# Altium PCB GP.PcbDoc
Units mil, origin at the board's own origin, x right, y up, seen from the top; angles counter-clockwise.
Board outline 3917.32 x 984.25 mil, 2 copper layers (Top Layer, Bottom Layer); 8 components, 0 nets, 24 pads, 2 vias.
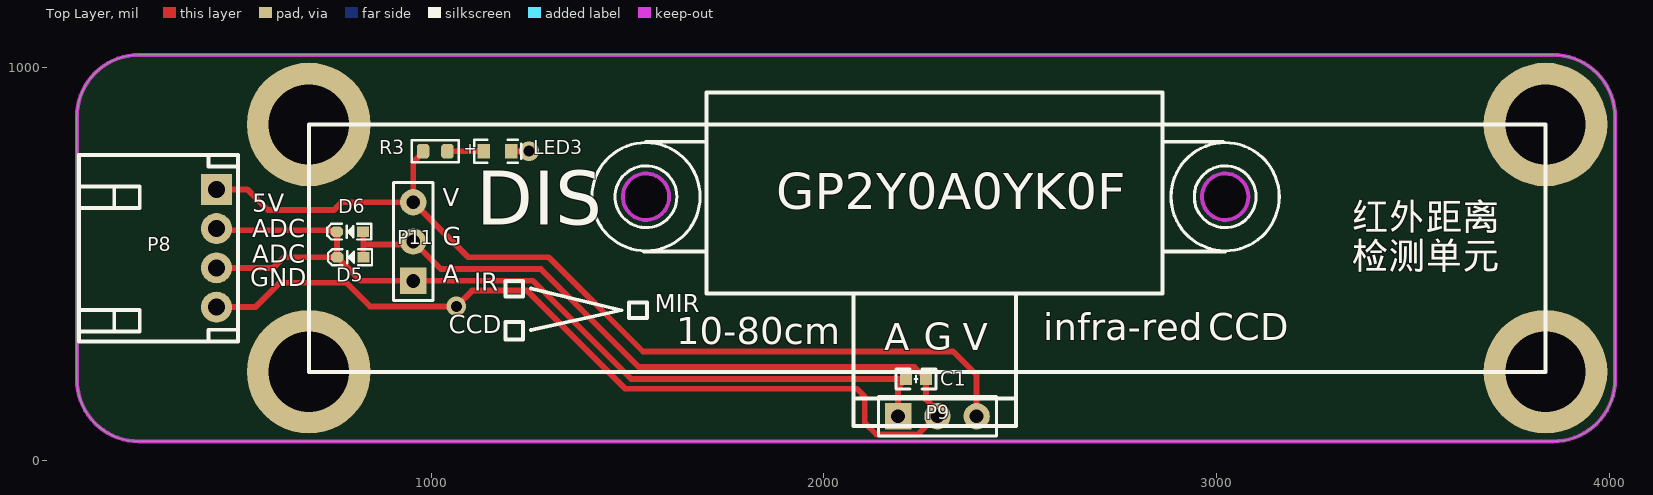
[diagram p0: Top Layer view]
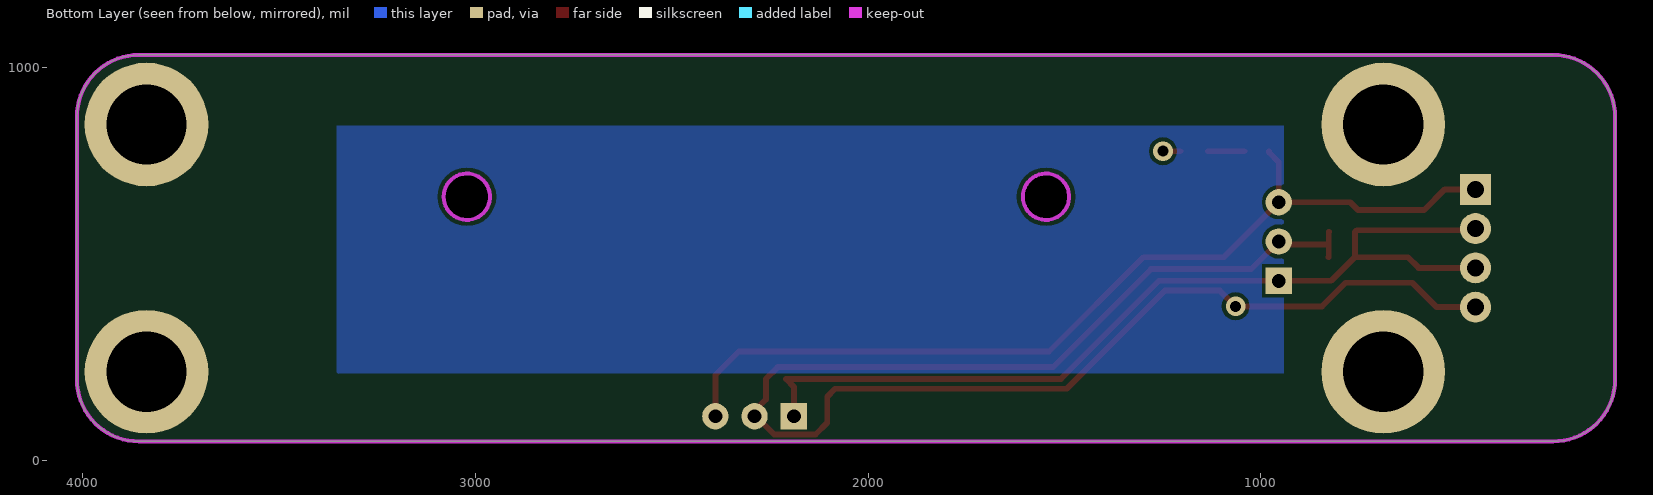
[diagram p1: Bottom Layer view, seen from below]

## Layer stack, top to bottom
Top Solder: solder mask 0.4, Solder Resist, Dk 3.5
Top Layer: signal copper 1.4
Dielectric 1: dielectric 12.6, FR-4, Dk 4.8
Bottom Layer: signal copper 1.4
Bottom Solder: solder mask 0.4, Solder Resist, Dk 3.5

## Board outline
97.52,205 ccw(c255,205) 255,47.52 3857.36,47.52 ccw(c3857.36,205) 4014.84,205 4014.84,244.37 4014.84,874.29 ccw(c3857.36,874.29) 3857.36,1031.77 255,1031.77 ccw(c255,874.29) 97.52,874.29
cut-out: 2962.75,670.62 ccw(c3021.81,670.62) 3021.81,611.57 ccw(c3021.81,670.62) 3080.86,670.62 ccw(c3021.81,670.62) 3021.81,729.68 ccw(c3021.81,670.62)
cut-out: 1487.75,670.62 ccw(c1546.81,670.62) 1546.81,611.57 ccw(c1546.81,670.62) 1605.86,670.62 ccw(c1546.81,670.62) 1546.81,729.68 ccw(c1546.81,670.62)

## Design rules (kind name [scope] priority, off if disabled: settings)
Clearance [All] p1: gap=10 ignorepadtopadclearanceinfootprint=FALSE except(0: Arc-Hole Track-Hole SMDPad-Hole THPad-Hole Via-Hole Fill-Hole Poly-Hole Region-Hole Text-Hole)
PolygonConnect [All] p1: connectstyle=Relief reliefconductorwidth=10 reliefentries=4 polygonreliefangle="90 Angle" airgapwidth=10
RoutingVias [All] p1: holewidth=28 width=50 viastyle="Through Hole" minholewidth=28 minwidth=50 maxholewidth=28 maxwidth=50
SolderMaskExpansion [All] p1: expansion=4 istentingtop=FALSE
Width [All] p1: maxlimit=10 minlimit=10 preferedwidth=10
30 further rules are at their usual default settings.

## Components (designator, comment, footprint, x,y, rotation, side; value= is the part's Value field where it differs from the comment)
C1 "CAP" "C 0603_L" 2234.59,206.52 r180 top value=100nF
D5 "TVS" SOD-523 794,516.52 r180 top
D6 "TVS" SOD-523 792.46,581.52 r180 top
LED3 "LED3" 0603-led 1134,786.52 r0 top
P8 "ADC_IN4" KF2EDGK-2.54-WI-4P 453,539.52 r270 top
P9 "Header 3" HDR2.54-LI-3P 2289,111.52 r0 top
P11 "Header 3" HDR2.54-LI-3P 954,556.52 r90 top
R3 "10K" 0603 1045.06,786.52 r180 top

## Footprints (in the part's own frame and the unit in brackets; to place one, negate y for a bottom-side part, rotate by r counter-clockwise, add the part's x,y. Pads: shape width x height; smd on the part's side, far side on the other; paste and mask are expansions set on the pad)
0603 [mil]
  rrect50% 32x37 smd: 1(3.94,0) 2(66.06,0)
  silkscreen extent -25,-28 95,28, body extent 4,-16 67,16, height 18
0603-led [mil]
  rect 32x37 smd: 1(0,0) 2(70,0)
  silkscreen extent -25,-29 95,29, body extent 2,-18 68,18, height 35
"C 0603_L" [mil] "无极性贴片电容"
  rect 30x30 smd: 1(-25.59,0) 2(25.59,0)
  silkscreen extent -51,-26 51,26, body extent -31,-16 31,16, height 32
HDR2.54-LI-3P [mm] "排针，3脚"
  rect 1.7x1.7 hole 0.9: 1(-2.54,0)
  round 1.7 hole 0.9: 2(0,0) 3(2.54,0)
  silkscreen extent -3.81,-1.27 3.81,1.27, body extent -3.81,-1.27 3.81,1.27, height 8.5
KF2EDGK-2.54-WI-4P [mm] "长：12.06mm，宽：10.1mm，高：8.1mm"
  rect 2x2 hole 1.1: 1(-3.81,0)
  round 2 hole 1.1: 2(-1.27,0) 3(1.27,0) 4(3.81,0)
  silkscreen extent -6.03,-8.9 6.03,1.39, body extent -6.03,-8.9 6.03,1.2, height 8.15
SOD-523 [mm] "1.2x0.8X0.6mm（长宽高，不包括引脚）"
  rect 0.8x0.7 smd: 1(-0.85,0)
  oct 0.8x0.7 smd: 2(0.85,0)
  silkscreen extent -1.4,-0.51 1.45,0.51, body extent -0.8,-0.4 0.8,0.4, height 0.65

## Part data
D5 D6: library part D, "High Conductance Fast Diode", Code_JEDEC=DO-204-AH, ComponentLink1Description="Manufacturer Link", ComponentLink1URL=http://www.fairchildsemi.com/, ComponentLink2Description=Datasheet, ComponentLink2URL=http://www.fairchildsemi.com/ds/1N%2F1N4148.pdf, DatasheetVersion=1997, LatestRevisionDate=17-Jul-2002, LatestRevisionNote="Re-released for DXP Platform.", PackageDescription="Diode, Axial; Body 3.8 x 1.9 mm (LxDia. max), Lead Dia. 0.53 mm (max)", PackageReference=DO-35, Published=8-Jun-2000, Publisher="Altium Limited"
LED3: library part CP_DIOLED, "DIODE LED"
P8: library part "Header 4", "Header, 4-Pin", LatestRevisionDate=17-Jul-2002, LatestRevisionNote="Re-released for DXP Platform.", Publisher="Altium Limited"
P9 P11: "Header, 3-Pin", LatestRevisionDate=17-Jul-2002, LatestRevisionNote="Re-released for DXP Platform.", Publisher="Altium Limited"
R3: library part RES2

## Free pads (board coordinates)
  round 314.96 hole 204.72: 0(688.07,224.69) 0(688.07,854.61) 0(3837.68,224.69) 0(3837.68,854.61)

## Via types
v1: diameter 50, hole 28, Top Layer to Bottom Layer, tented both sides, 2 vias

## Nets (pads, with @x,y where several pads share a name; then routed paths per layer and width w, separated by ;. In a path a pad name is that pad's centre, name@x,y a point inside that pad or via, vN(x,y) a via of type N, cw(c..) or ccw(c..) an arc to the next point about the centre after c; other vN are vias at no path point)
pads on no net: C1.1 C1.2 D5.1 D5.2 D6.1 D6.2 LED3.1 LED3.2 P8.1 P8.2 P8.3 P8.4 P9.1 P9.2 P9.3 P11.1 P11.2 P11.3 R3.1 R3.2
copper on no net: | length 8772.8
  Top Layer w15: 453,389.52 552,389.52 614,451.52 784,451.52 844,391.52 v1(1064,391.52) 1104,431.52 1244,431.52 1494,181.52 2084,181.52 2104,161.52 2104,95.02 2134,65.02 2239,65.02 2285.5,111.52 2289,111.52 2289,125.57 2260.18,154.39 2260.18,206.52 2230.18,236.52 1529,236.52 1279,486.52 1024,486.52 954,556.52 946.5,549.02 826.7,549.02 ; 453,489.52 597.77,489.52 624.77,516.52 760.54,516.52 ; 453,589.52 457.22,585.3 755.22,585.3 759,581.52 759.77,580.75 759.77,517.29 760.54,516.52 ; 453,689.52 531,689.52 584,636.52 751.97,636.52 771.97,656.52 954,656.52 ; 825.93,581.52 826.7,580.75 826.7,549.02 ; 827.46,516.52 826.7,517.29 826.7,549.02 ; 979,786.52 979,783.75 954,758.75 954,656.52 ; 1041.13,786.52 1134,786.52 ; 1204,786.52 v1(1249,786.52) ; 2189,111.52 2189,186.52 2209,206.52 1509,206.52 1263.99,451.53 1259,456.52 954,456.52 820.54,456.52 760.54,516.52 ; 2389,111.52 2389,216.52 2329,276.52 1539,276.52 1299,516.52 1094,516.52 954,656.52

## Polygon pours and split planes (outlines as drawn)
no net on Bottom Layer "NONET_L01_P-001" (solid, pour order 0): 3353.18,219.79 3353.18,851.52 941.21,851.52 941.21,221.6

## Keep-outs
Keep-Out Layer:
  circle w10: c1546.81,670.62 r59.06
  circle w10: c3021.81,670.62 r59.06
  lines w10: 2833.74,1031.77 3857.36,1031.77 cw(c3857.36,874.29) 4014.84,874.29 4014.84,244.37 ; 2835,1031.77 255,1031.77 ccw(c255,874.29) 97.52,874.29 97.52,205 ccw(c255,205) 255,47.52 3857.36,47.52 ccw(c3857.36,205) 4014.84,205 4014.84,244.37 ; 4014.84,244.37 4014.84,244.37

## Silkscreen, mask and mechanical layers (free items; w line width, h text height)
Top Overlay:
  circle w7.87: c1546.81,670.62 r78.74
  circle w7.87: c3021.81,670.62 r78.74
  circle w7.87: c1546.81,670.62 r137.8
  circle w7.87: c3021.81,670.62 r137.8
  lines w10: 1254,331.52 1484,381.52 1254,436.52 ; 1541.81,530.62 1696.81,530.62 ; 1546.81,810.62 1696.81,810.62 ; 2074.98,421.52 2074.98,86.52 2488.96,86.52 2489,86.56 2489,421.52 ; 2079,156.52 2489,156.52 ; 2861.81,530.62 3021.81,530.62 ; 2861.81,810.62 3016.81,810.62 ; 688.07,224.69 3837.68,224.69 3837.68,854.61 688.07,854.61 688.07,224.69 ; 1189,306.52 1234,306.52 1234,351.52 1189,351.52 1189,306.52 ; 1189,416.52 1189,456.52 1234,456.52 1234,416.52 1189,416.52 ; 1504,361.52 1549,361.52 1549,401.52 1504,401.52 1504,361.52 ; 1700.39,423.81 1700.39,935.62 2861.81,935.62 2861.81,423.81 1700.39,423.81
  text "V" at 1029,631.52 h78.74
  text "5V" at 544,617.25 h78.74
  text "GP2Y0A0YK0F" at 1879.15,607.98 h157.48
  text "红外距离" at 3344,563.43 h118.11
  text "DIS" at 1114.22,553.71 h236.22
  text "ADC" at 544,552.25 h78.74
  text "G" at 1029.07,532.25 h78.74
  text "ADC" at 544,487.25 h78.74
  text "检测单元" at 3344,463.87 h118.11
  text "A" at 1029,436.52 h78.74
  text "GND" at 539.07,427.25 h78.74
  text "IR" at 1109.07,416.52 h78.74
  text "MIR" at 1569.07,361.52 h78.74
  text "CCD" at 1044.07,307.25 h78.74
  text "infra-red" at 2559,282.61 h118.11
  text "CCD" at 2979.11,282.61 h118.11
  text "10-80cm" at 1624.11,272.61 h118.11
  text "G" at 2254.11,257.61 h118.11
  text "A" at 2154,256.52 h118.11
  text "V" at 2354,256.52 h118.11

## Text inside footprints (layer, text, board x,y; h text height)
LED3: Top Overlay "+" at 1083,770.52 h50